# Altium PCB cam_cross_link.PcbDoc (part 1 of 4) (continued)
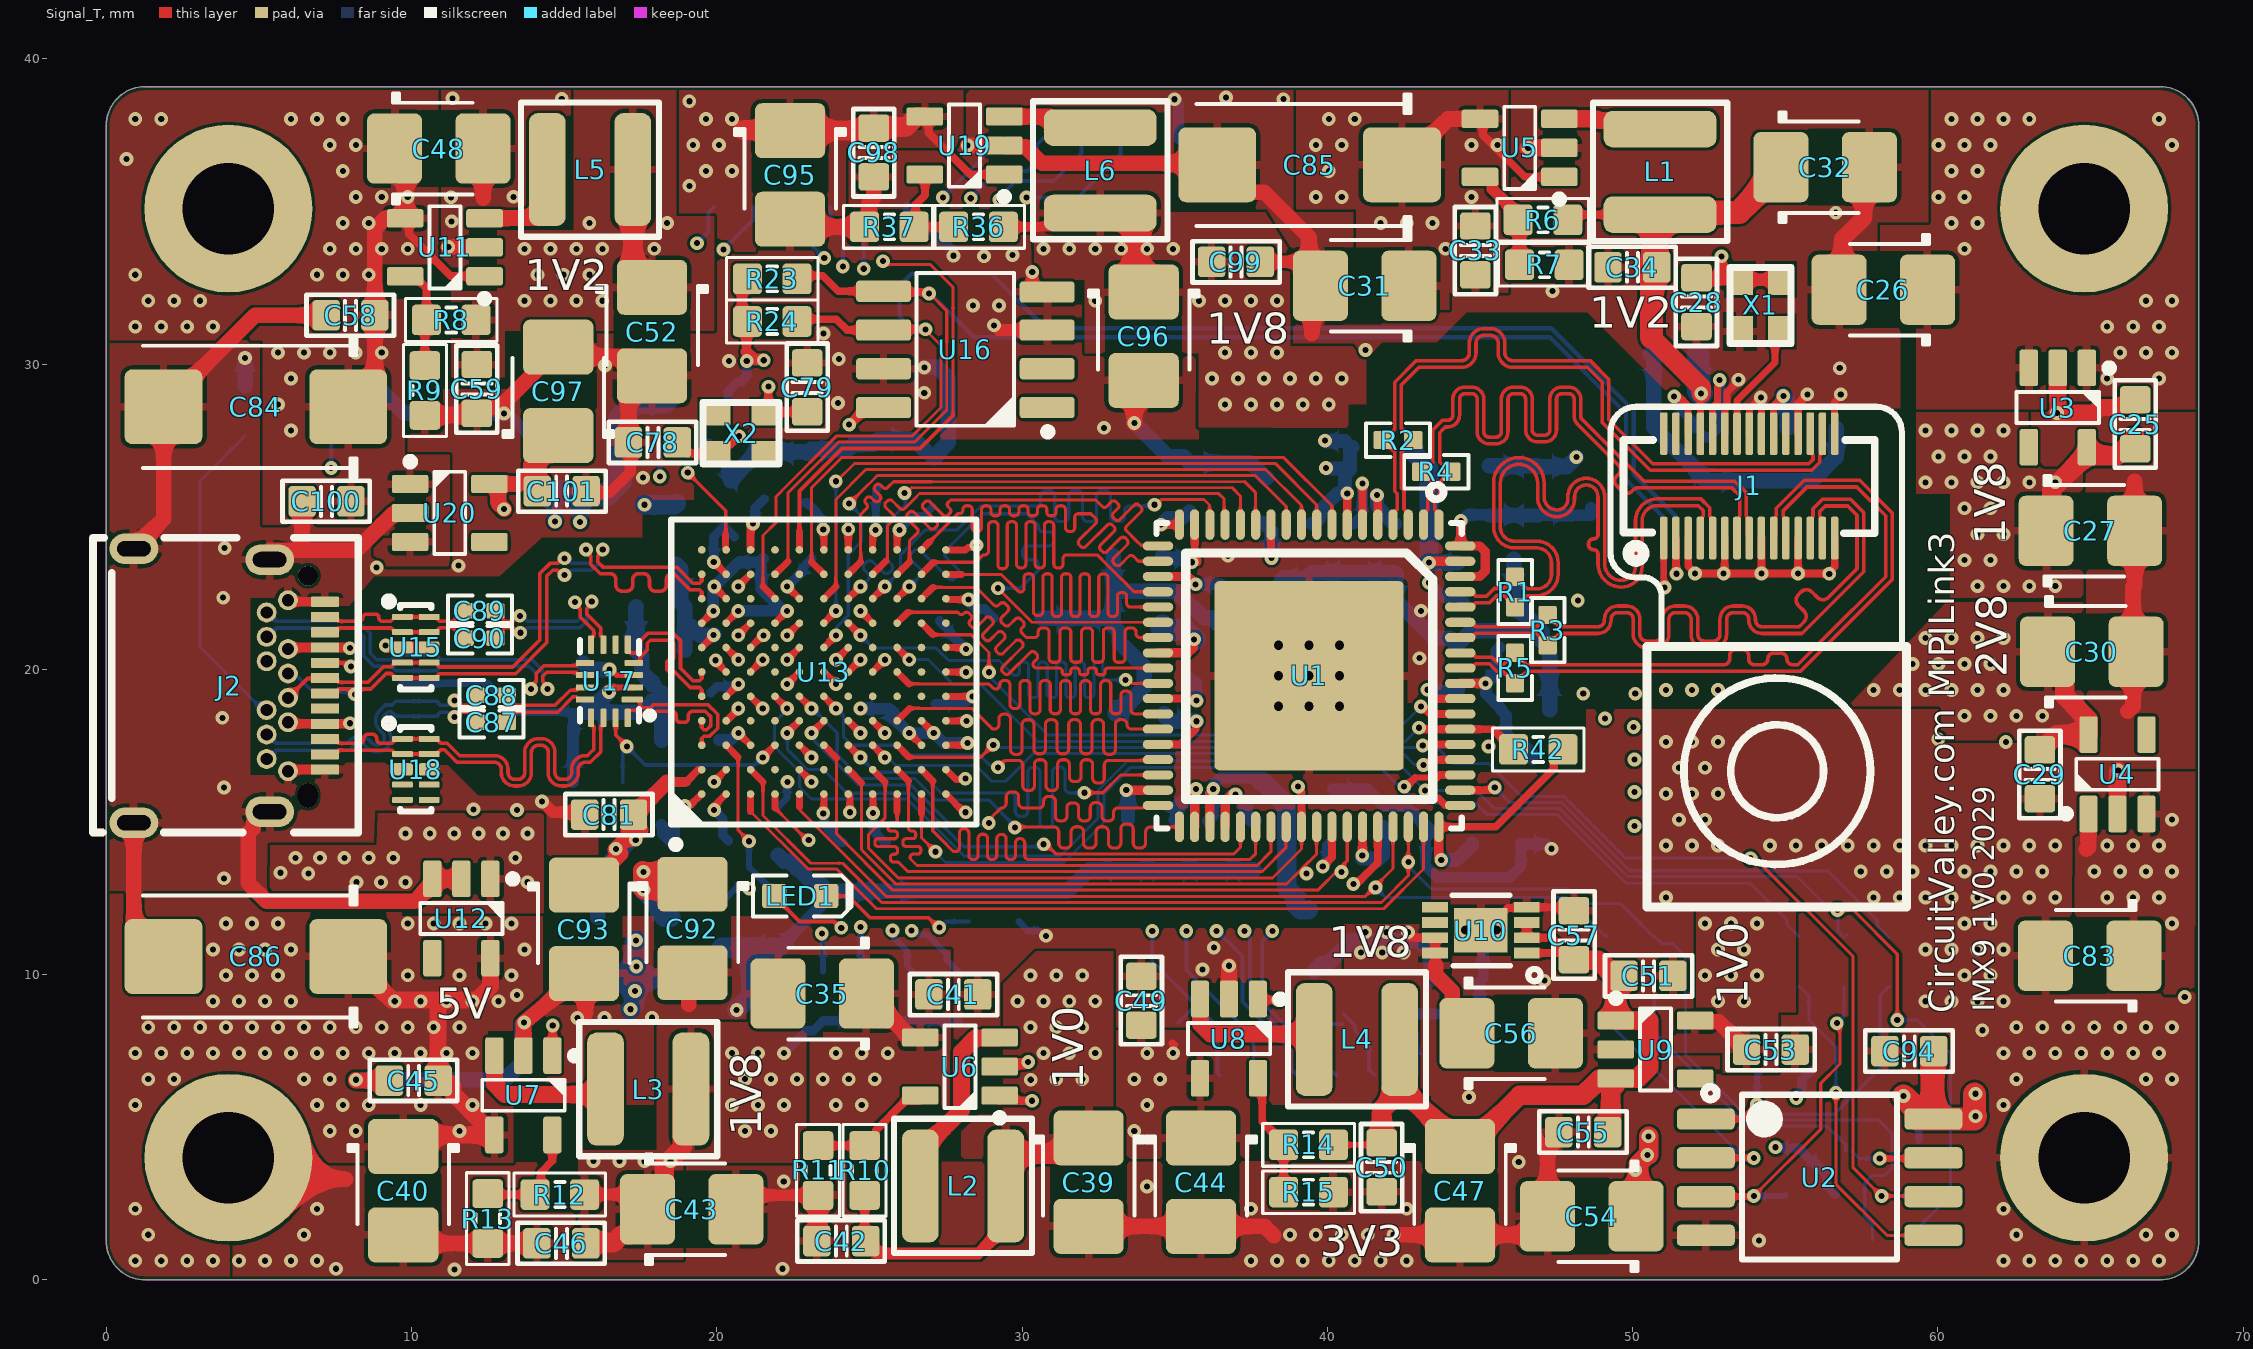
[diagram p0: Signal_T view]
## Components (designator, comment, footprint, x,y, rotation, side; value= is the part's Value field where it differs from the comment) (continued)
C82 "100n" CAPC1608N 44.31,9.881 r180 bottom
C83 "10µ" CAPMP3528X210N 64.973,10.617 r180 top
C84 "33uf 20V D" CAPMP7343X310N 4.902,28.6 r180 top value="33uf 25V"
C85 "33uf 20V D" CAPMP7343X310N 39.421,36.525 r180 top value="33uf 25V"
C86 "33uf 20V D" CAPMP7343X310N 4.902,10.592 r180 top value="33uf 25V"
C87 "100n" CAPC1005N 12.624,18.263 r0 top
C88 "100n" CAPC1005N 12.624,19.152 r0 top
C89 "100n" CAPC1005N 12.243,21.915 r0 top
C90 "100n" CAPC1005N 12.243,21.02 r0 top
C91 "100n" CAPC1608N 15.646,19.317 r90 bottom
C92 "22uf" CAPMP3528X210N 19.202,11.508 r270 top
C93 "22uf" CAPMP3528X210N 15.646,11.481 r270 top
C94 "100n" CAPC1608N 59.068,7.493 r0 top
C95 "10µ" CAPMP3528X210N 22.403,36.195 r270 top
C96 "10µ" CAPMP3528X210N 33.985,30.912 r270 top
C97 "10µ" CAPMP3528X210N 14.808,29.106 r90 top
C98 "100n" CAPC1608N 25.146,36.932 r90 top
C99 "100n" CAPC1608N 37.008,33.35 r180 top
C100 "100n" CAPC1608N 7.214,25.502 r0 top
C101 "100n" CAPC1608N 14.92,25.838 r180 top
FB1 "" FBC2012N 39.318,11.131 r90 bottom
FB2 "" FBC2012N 47.727,17.043 r180 bottom
FB3 "" FBC2012N 48.641,24.292 r90 bottom
FB4 "" FBC2012N 19.38,28.905 r180 bottom
FB5 "" FBC2012N 18.669,24.444 r270 bottom
FB6 "" FBC2012N 18.491,10.871 r90 bottom
FB7 "" FBC2012N 16.104,10.871 r90 bottom
FB8 "" FBC2012N 41.834,27.28 r0 bottom
J1 "DF37NC-30DS-0.4V" DF37NC-30DS-0.4V 53.823,26.01 r0 top
J2 "USB C Connector" 10137062-00021LF 3.277,19.507 r270 top locked
L1 "2u2" TAIYO_NRS4018T2R2MDGJ 50.902,36.297 r270 top
L2 "2u2" TAIYO_NRS4018T2R2MDGJ 28.067,3.073 r0 top
L3 "2u2" TAIYO_NRS4018T2R2MDGJ 17.755,6.248 r0 top
L4 "2u2" TAIYO_NRS4018T2R2MDGJ 40.97,7.874 r0 top
L5 "2u2" TAIYO_NRS4018T2R2MDGJ 15.85,36.373 r0 top
L6 "2u2" TAIYO_NRS4018T2R2MDGJ 32.563,36.347 r270 top
LED1 "Red" LED-0603-RED 22.733,12.573 r0 top
P1 "Header 6" SMD_Solder_points_1.27 39.649,6.731 r180 bottom
P2 "Header 6" SMD_Solder_points_1.27 23.089,35.179 r180 bottom
P3 "Header 6" SMD_Solder_points_1.27 32.588,37.363 r0 bottom
P4 "Header 3" SMD_3Solder_points_1.27 59.103,1.304 r0 bottom
R1 "Thick Film" RESC1005N 46.152,22.53 r270 top value=100R
R2 "Thick Film" RESC1005N 42.32,27.51 r180 top value=100R
R3 "Thick Film" RESC1005N 47.218,21.281 r270 top value=100R
R4 "Thick Film" RESC1005N 43.571,26.473 r0 top value=100R
R5 "Thick Film" RESC1005N 46.152,20.041 r270 top value=100R
R6 "Thick Film" RESC1608N_ZERO 47.065,34.723 r180 top value=300K
R7 "Thick Film" RESC1608N_ZERO 47.113,33.25 r0 top value=73K2
R8 "Thick Film" RESC1608N_ZERO 11.303,31.445 r180 top value=0R
R9 "Thick Film" RESC1608N_ZERO 10.439,29.134 r270 top value=0R
R10 "Thick Film" RESC1608N_ZERO 24.841,3.581 r90 top value=0R
R11 "Thick Film" RESC1608N_ZERO 23.317,3.581 r270 top value=0R
R12 "Thick Film" RESC1608N_ZERO 14.859,2.794 r180 top value=0R
R13 "Thick Film" RESC1608N_ZERO 12.497,2.007 r270 top value=0R
R14 "Thick Film" RESC1608N_ZERO 39.386,4.42 r180 top value=0R
R15 "Thick Film" RESC1608N_ZERO 39.386,2.871 r0 top value=0R
R16 "Thick Film" RESC1608N_ZERO 4.551,28.473 r90 bottom value=5.1K
R17 "Thick Film" RESC1608N_ZERO 7.544,28.473 r90 bottom value=5.1K
R19 "Thick Film" RESC1608N_ZERO 18.923,27.381 r0 bottom value="6.04K 1%"
R20 "Thick Film" RESC1608N_ZERO 22.047,11.709 r270 bottom value="200R 1%"
R21 "Thick Film" RESC1608N_ZERO 20.168,11.709 r270 bottom value=10K
R22 "Thick Film" RESC1608N_ZERO 23.485,9.296 r270 bottom value=0R
R23 "Thick Film" RESC1608N_ZERO 21.819,32.791 r180 top value=5.1K
R24 "Thick Film" RESC1608N_ZERO 21.819,31.394 r0 top value=5.1K
R25 "Thick Film" RESC1608N_ZERO 24.913,9.296 r270 bottom value=5.1K
R26 "Thick Film" RESC1608N_ZERO 26.408,9.296 r270 bottom value=5.1K
R27 "Thick Film" RESC1608N_ZERO 27.903,9.296 r270 bottom value=5.1K
R28 "Thick Film" RESC1608N_ZERO 16.104,16.307 r180 bottom value=5.1K
R29 "Thick Film" RESC1608N_ZERO 55.448,10.439 r90 bottom value=0R
R30 "Thick Film" RESC1608N_ZERO 49.171,10.451 r90 bottom value=0R
R31 "Thick Film" RESC1608N_ZERO 56.921,10.414 r90 bottom value=0R
R32 "Thick Film" RESC1608N_ZERO 50.715,10.451 r90 bottom value=0R
R33 "Thick Film" RESC1608N_ZERO 58.395,10.414 r90 bottom value=0R
R34 "Thick Film" RESC1608N_ZERO 55.042,6.858 r180 bottom value=4.7K
R35 "Thick Film" RESC1608N_ZERO 41.351,8.712 r180 bottom value=4.7K
R36 "Thick Film" RESC1608N_ZERO 28.575,34.493 r180 top value=0R
R37 "Thick Film" RESC1608N_ZERO 25.654,34.493 r180 top value=0R
R38 "Thick Film" RESC1608N_ZERO 56.379,4.215 r0 bottom value=4.7K
R39 "Thick Film" RESC1608N_ZERO 55.651,2.896 r180 bottom value=4.7K
R40 "Thick Film" RESC1608N_ZERO 59.379,3.759 r270 bottom value=1K
R41 "Thick Film" RESC1608N_ZERO 29.083,11.735 r0 bottom value=100R
R42 "Thick Film" RESC1608N_ZERO 46.914,17.374 r180 top value=10K
R43 "Thick Film" RESC1608N_ZERO 34.315,8.687 r0 bottom value=4.7K
U1 "LIFCL-40-xSG72" QFN72_NX 39.405,19.79 r180 top locked
U2 "SST26WF064C / MX25U12832F" SOP8 56.127,3.361 r0 top
U3 "MIC550x" SOT23-5 63.932,28.575 r270 top
U4 "MIC550x" SOT23-5 65.888,16.561 r90 top
U5 "AP3417C" SOT23-5 46.304,37.084 r180 top
U6 "AP3417C" SOT23-5 27.965,6.985 r180 top
U7 "AP3417C" SOT23-5 13.665,6.045 r270 top
U8 "AP3417C" SOT23-5 36.779,7.899 r270 top
U9 "MIC550x" SOT23-5 50.749,7.544 r0 top
U10 "MCP1725-1802E/MC" DFN8_3x2 45.034,11.455 r180 top
U11 "AP3417C" SOT23-5 11.092,33.824 r180 top
U12 "NCP360SNT1G" SOT23-5 11.633,11.836 r270 top
U13 "CYUSB3014-BZXC" CYP-BZX121 23.507,19.913 r90 top locked
U14 "SP3010-04UTG" uDFN-10 10.16,19.456 r270 bottom
U15 "SP3010-04UTG" uDFN-10 10.14,20.717 r90 top
U16 "AT24CM02" SOIC8 28.143,30.48 r180 top
U17 "HD3SS3202" UQFN-16 16.485,19.609 r180 top
U18 "SP3010-04UTG" uDFN-10 10.14,16.723 r90 top
U19 "AP3417C" SOT23-5 28.118,37.16 r180 top
U20 "MIC550x" SOT23-5 11.252,25.121 r0 top
X1 "DSO221SR" "Active Oscillator 2520" 54.192,31.918 r270 top
X2 "ECS-192-7-36B-CKY-TR" "Active Oscillator 2520" 20.795,27.733 r0 top

## Footprints (in the part's own frame and the unit in brackets; to place one, negate y for a bottom-side part, rotate by r counter-clockwise, add the part's x,y. Pads: shape width x height; smd on the part's side, far side on the other; paste and mask are expansions set on the pad)
10137062-00021LF [mm] "USB 3.1 USB C"
  oval 1x1.6 hole 0.5 slot 1.1 at 90 deg: 0(-4.446,-2.373) 0(-4.086,2.077) 0(4.174,2.077) 0(4.534,-2.373)
  round 0.65 hole 0.65 unplated: 1(-3.556,3.327)
  oval 0.8x0.65 hole 0.65 slot 0.8 at 0 deg unplated: 1(3.644,3.327)
  rrect20% 0.33x0.93 smd: A1(-2.706,3.887) A2(-2.206,3.887) A3(-1.706,3.887) A4(-1.206,3.887) A5(-0.706,3.887) A6(-0.206,3.887) A7(0.294,3.887) A8(0.794,3.887) A9(1.294,3.887) A10(1.794,3.887) A11(2.294,3.887) A12(2.794,3.887)
  round 0.65 hole 0.4: B1(2.844,2.677) B2(2.444,1.977) B3(1.644,1.977) B4(1.244,2.677) B5(0.844,1.977) B6(0.444,2.677) B7(-0.356,2.677) B8(-0.756,1.977) B9(-1.156,2.677) B10(-1.556,1.977) B11(-2.356,1.977) B12(-2.756,2.677)
  silkscreen extent -4.8,-3.71 4.85,4.98, body extent -4.8,-3.71 4.85,4.99, height 3.19
"Active Oscillator 2520" [mm]
  rect 1x0.85 smd: 1(-0.85,-0.675) 2(0.85,-0.675) 3(0.85,0.675) 4(-0.85,0.675)
  silkscreen extent -1.25,-1 1.25,1, body extent -1.25,-1 1.25,1, height 0.56
CAPC1005N [mm] "Chip Capacitor, Body 1.0x0.5mm, 0402, IPC Medium Density"
  round 0.2 on Mech14: 0(0,0)
  rrect20% 0.6x0.5 smd: 1(-0.5,0) 2(0.5,0)
  Signal_T pour cut-out: -0.2,0.35 0.2,0.35 0.2,-0.35 -0.2,-0.35
  silkscreen extent -1.05,-0.5 1.05,0.5, body extent -0.52,-0.27 0.53,0.28, height 0.55
CAPC1608N [mm] "Chip Capacitor, Body 1.6x0.8mm, 0603, IPC Medium Density"
  round 0.254 on Mech14: 0(0,0)
  rrect25% 0.9x1 smd: 1(-0.8,0) 2(0.8,0)
  silkscreen extent -1.44,-0.67 1.42,0.68, body extent -0.85,-0.45 0.85,0.45, height 0.89
CAPMP3528X210N [mm] "Molded body capacitor, Body 3.5x2.8mm, 1210, IPC Nominal settings"
  round 0.254 on Mech14: 0(0,0)
  rrect25% 1.8x2.3 smd: 1(-1.45,0) 2(1.45,0)
  Signal_T pour cut-out: -0.508,1.27 0.508,1.27 0.508,-1.27 -0.508,-1.27
  silkscreen extent -1.5,-1.8 1.1,1.8, body extent -1.75,-1.4 1.75,1.4, height 2.1
CAPMP7343X310N [mm] "Molded body capacitor, Body 7.3x4.3mm, 2917, IPC Nominal settings"
  round 1 on Mech14: 0(0,0)
  rrect20% 2.55x2.45 smd: 1(-3.025,0) 2(3.025,0)
  silkscreen extent -3.3,-2.3 3.7,2.3, body extent -3.8,-1.97 3.8,1.98, height 3.1
CYP-BZX121 [mm] "BGA, 121-Balls, Body 10x10mm, Pitch 0.8mm"
  round 0.25 smd: A1(-4,4) A2(-3.2,4) A3(-2.4,4) A4(-1.6,4) A5(-0.8,4) A6(0,4) A7(0.8,4) A8(1.6,4) A9(2.4,4) A10(3.2,4) A11(4,4) B1(-4,3.2) B2(-3.2,3.2) B3(-2.4,3.2) B4(-1.6,3.2) B5(-0.8,3.2) B6(0,3.2) B7(0.8,3.2) B8(1.6,3.2) B9(2.4,3.2) B10(3.2,3.2) B11(4,3.2) C1(-4,2.4) C2(-3.2,2.4) C3(-2.4,2.4) C4(-1.6,2.4) C5(-0.8,2.4) C6(0,2.4) C7(0.8,2.4) C8(1.6,2.4) C9(2.4,2.4) C10(3.2,2.4) C11(4,2.4) D1(-4,1.6) D2(-3.2,1.6) D3(-2.4,1.6) D4(-1.6,1.6) D5(-0.8,1.6) D6(0,1.6) D7(0.8,1.6) D8(1.6,1.6) D9(2.4,1.6) D10(3.2,1.6) D11(4,1.6) E1(-4,0.8) E2(-3.2,0.8) E3(-2.4,0.8) E4(-1.6,0.8) E5(-0.8,0.8) E6(0,0.8) E7(0.8,0.8) E8(1.6,0.8) E9(2.4,0.8) E10(3.2,0.8) E11(4,0.8) F1(-4,0) F2(-3.2,0) F3(-2.4,0) F4(-1.6,0) F5(-0.8,0) F6(0,0) F7(0.8,0) F8(1.6,0) F9(2.4,0) F10(3.2,0) F11(4,0) G1(-4,-0.8) G2(-3.2,-0.8) G3(-2.4,-0.8) G4(-1.6,-0.8) G5(-0.8,-0.8) G6(0,-0.8) G7(0.8,-0.8) G8(1.6,-0.8) G9(2.4,-0.8) G10(3.2,-0.8) G11(4,-0.8) H1(-4,-1.6) H2(-3.2,-1.6) H3(-2.4,-1.6) H4(-1.6,-1.6) H5(-0.8,-1.6) H6(0,-1.6) H7(0.8,-1.6) H8(1.6,-1.6) H9(2.4,-1.6) H10(3.2,-1.6) H11(4,-1.6) J1(-4,-2.4) J2(-3.2,-2.4) J3(-2.4,-2.4) J4(-1.6,-2.4) J5(-0.8,-2.4) J6(0,-2.4) J7(0.8,-2.4) J8(1.6,-2.4) J9(2.4,-2.4) J10(3.2,-2.4) J11(4,-2.4) K1(-4,-3.2) K2(-3.2,-3.2) K3(-2.4,-3.2) K4(-1.6,-3.2) K5(-0.8,-3.2) K6(0,-3.2) K7(0.8,-3.2) K8(1.6,-3.2) K9(2.4,-3.2) K10(3.2,-3.2) K11(4,-3.2) L1(-4,-4) L2(-3.2,-4) L3(-2.4,-4) L4(-1.6,-4) L5(-0.8,-4) L6(0,-4) L7(0.8,-4) L8(1.6,-4) L9(2.4,-4) L10(3.2,-4) L11(4,-4)
  silkscreen extent -5.77,-5 5,5, body extent -5,-5 5,5, height 1.2
DF37NC-30DS-0.4V [mm] "IMX219 Camera connector"
  rrect50% 0.247x1.4 smd: 1(-2.8,-1.71) 2(-2.4,-1.71) 3(-2,-1.71) 4(-1.6,-1.71) 5(-1.2,-1.71) 6(-0.8,-1.71) 7(-0.4,-1.71) 8(0,-1.71) 9(0.4,-1.71) 10(0.8,-1.71) 11(1.2,-1.71) 12(1.6,-1.71) 13(2,-1.71) 14(2.4,-1.71) 15(2.8,-1.71) 16(2.8,1.71) 17(2.4,1.71) 18(2,1.71) 19(1.6,1.71) 20(1.2,1.71) 21(0.8,1.71) 22(0.4,1.71) 23(0,1.71) 24(-0.4,1.71) 25(-0.8,1.71) 26(-1.2,1.71) 27(-1.6,1.71) 28(-2,1.71) 29(-2.4,1.71) 30(-2.8,1.71)
  silkscreen extent -4.11,-2.46 4.11,1.5, body extent -4.11,-1.5 4.11,1.48, height 0.99
DFN8_3x2 [mm] "MCP1725"
  rect 0.85x0.35 smd: 1(-1.5,0.75) 2(-1.5,0.25) 3(-1.5,-0.25) 4(-1.5,-0.75) 5(1.5,-0.75) 6(1.5,-0.25) 7(1.5,0.25) 8(1.5,0.75)
  rect 1.75x1.45 smd: 9(0,0)
  silkscreen extent -1.95,-1.14 0.94,1.67, body extent -1.53,-1 1.51,1, height 0.91
FBC2012N [mm] "Ferrite Bead Chip, Body 2.0x1.2mm, 0805, IPC Medium Density"
  round 0.508 on Mech14: 0(0,0)
  rrect25% 0.95x1.35 smd: 1(-1,0) 2(1,0)
  silkscreen extent -0.43,-0.64 0.46,0.64, body extent -1,-0.62 1,0.63, height 0.9
LED-0603-RED [mm]
  round 0.254 on Mech14: 0(0,0)
  rrect25% 0.8x0.8 smd: A(-0.85,0) K(0.85,0)
  Signal_T pour cut-out: -0.5,0.5 0.5,0.5 0.5,-0.5 -0.5,-0.5
  silkscreen extent -1.55,-0.67 1.68,0.67, body extent -0.8,-0.4 0.8,0.4, height 0.75
QFN72_NX [mm] "QFN72 Package For CrossLink NX"
  oval 0.3x1 smd: 1(-4.25,-4.95) 2(-3.75,-4.95) 3(-3.25,-4.95) 4(-2.75,-4.95) 5(-2.25,-4.95) 6(-1.75,-4.95) 7(-1.25,-4.95) 8(-0.75,-4.95) 9(-0.25,-4.95) 10(0.25,-4.95) 11(0.75,-4.95) 12(1.25,-4.95) 13(1.75,-4.95) 14(2.25,-4.95) 15(2.75,-4.95) 16(3.25,-4.95) 17(3.75,-4.95) 18(4.25,-4.95) 37(4.25,4.95) 38(3.75,4.95) 39(3.25,4.95) 40(2.75,4.95) 41(2.25,4.95) 42(1.75,4.95) 43(1.25,4.95) 44(0.75,4.95) 45(0.25,4.95) 46(-0.25,4.95) 47(-0.75,4.95) 48(-1.25,4.95) 49(-1.75,4.95) 50(-2.25,4.95) 51(-2.75,4.95) 52(-3.25,4.95) 53(-3.75,4.95) 54(-4.25,4.95)
  oval 1x0.3 smd: 19(4.95,-4.25) 20(4.95,-3.75) 21(4.95,-3.25) 22(4.95,-2.75) 23(4.95,-2.25) 24(4.95,-1.75) 25(4.95,-1.25) 26(4.95,-0.75) 27(4.95,-0.25) 28(4.95,0.25) 29(4.95,0.75) 30(4.95,1.25) 31(4.95,1.75) 32(4.95,2.25) 33(4.95,2.75) 34(4.95,3.25) 35(4.95,3.75) 36(4.95,4.25) 55(-4.95,4.25) 56(-4.95,3.75) 57(-4.95,3.25) 58(-4.95,2.75) 59(-4.95,2.25) 60(-4.95,1.75) 61(-4.95,1.25) 62(-4.95,0.75) 63(-4.95,0.25) 64(-4.95,-0.25) 65(-4.95,-0.75) 66(-4.95,-1.25) 67(-4.95,-1.75) 68(-4.95,-2.25) 69(-4.95,-2.75) 70(-4.95,-3.25) 71(-4.95,-3.75) 72(-4.95,-4.25)
  rrect5% 6.2x6.2 smd: 73(0,0)
  silkscreen extent -5,-6.26 5,5, body extent -5,-5 5,5, height 0.85
RESC1005N [mm] "Chip Resistor, Body 1.0x0.5mm, EIA 0402, IPC Medium Density"
  round 0.2 on Mech14: 0(0,0)
  rrect20% 0.6x0.6 smd: 1(-0.5,0) 2(0.5,0)
  Signal_T pour cut-out: -0.2,0.35 0.2,0.35 0.2,-0.35 -0.2,-0.35
  silkscreen extent -1.05,-0.55 1.05,0.55, body extent -0.52,-0.27 0.53,0.28, height 0.4
RESC1608N_ZERO [mm] "Chip Resistor, Body 1.6x0.8mm, 0603, IPC Medium Density"
  round 0.254 on Mech14: 0(0,0)
  rrect25% 0.95x1 smd: 1(-0.813,0) 2(0.813,0)
  Signal_T pour cut-out: -0.4,0.6 0.4,0.6 0.4,-0.6 -0.4,-0.6
  silkscreen extent -1.5,-0.7 1.5,0.7, body extent -0.87,-0.47 0.88,0.48, height 0.54
SMD_3Solder_points_1.27 [mm]
  oval 1.1x1.6 smd: 1(-1.245,0) 2(0.025,0) 3(1.295,0)
  silkscreen extent -2.44,-0.18 -2.03,0.23
SMD_Solder_points_1.27 [mm]
  oval 1.1x1.6 smd: 1(-3.175,-0.025) 2(-1.905,-0.025) 3(-0.635,-0.025) 4(0.635,-0.025) 5(1.905,-0.025) 6(3.175,-0.025)
  silkscreen extent -4.37,-0.2 -3.96,0.2
SOIC8 [mm]
  rrect30% 1x1 on Mech14: 0(0,0)
  rrect30% 1.8x0.7 smd paste-2: 1(-2.68,1.905) 2(-2.68,0.635) 3(-2.68,-0.635) 4(-2.68,-1.88) 5(2.68,-1.905) 6(2.68,-0.635) 7(2.68,0.635) 8(2.68,1.905)
  silkscreen extent -2.83,-2.5 1.6,2.82, body extent -3,-2.45 3,2.45, height 1.75
SOP8 [mm] "MX25L12833F"
  rrect40% 1.9x0.7 smd: 1(-3.727,1.905) 2(-3.727,0.635) 3(-3.727,-0.635) 4(-3.727,-1.905) 5(3.727,-1.905) 6(3.727,-0.635) 7(3.727,0.635) 8(3.727,1.905)
  silkscreen extent -3.78,-2.7 2.54,2.96, body extent -4.07,-2.75 4.07,2.74, height 1.9
SOT23-5 [mm]
  round 0.5 on Mech14: 0(0,0)
  rrect25% 1.2x0.6 smd: 1(-1.3,0.95) 2(-1.3,0) 3(-1.3,-0.95) 4(1.3,-0.95) 5(1.3,0.95)
  silkscreen extent -1.42,-1.35 0.51,1.81, body extent -1.4,-1.45 1.4,1.45, height 1.44
TAIYO_NRS4018T2R2MDGJ [mm] "TAIYO"
  rrect50% 1.2x3.7 smd: 1(-1.4,0) 2(1.4,0)
  silkscreen extent -2.26,-2.2 2.26,2.2, body extent -1.5,-1.5 1.5,1.5, height 1.35
uDFN-10 [mm] "SP3010-04UTG"
  rrect30% 0.2x0.675 smd: 1(1,0.437) 2(0.5,0.437) 4(-0.5,0.437) 5(-1,0.437) 6(-1,-0.437) 7(-0.5,-0.437) 9(0.5,-0.437) 10(1,-0.437)
  rrect30% 0.4x0.675 smd: 3(0,0.437) 8(0,-0.437)
  silkscreen extent -1.38,-0.51 1.64,1.02, body extent -1.24,-0.51 1.27,0.51, height 0.5
UQFN-16 [mm] "HD3SS3202"
  rrect30% 0.7x0.2 smd: 1(-0.75,0.6)
  rrect30% 0.6x0.2 smd: 2(-0.8,0.2) 3(-0.8,-0.2) 4(-0.8,-0.6) 9(0.8,-0.6) 10(0.8,-0.2) 11(0.8,0.2) 12(0.8,0.6)
  rrect30% 0.2x0.6 smd: 5(-0.6,-1.2) 6(-0.2,-1.2) 7(0.2,-1.2) 8(0.6,-1.2) 13(0.6,1.2) 14(0.2,1.2) 15(-0.2,1.2) 16(-0.6,1.2)
  silkscreen extent -1.43,-1.35 0.97,1.32, body extent -0.91,-1.31 0.91,1.31, height 0.57

## Part data
C1 C2 C3 C4 C5 C6 C7 C8 C9 C10 C11 C12 C13 C14 C15 C16 C17 C18 C19 C20 C21 C22 C23 C24 C25 C28 C29 C33 C34 C36 C37 C38 C41 C42 C45 C46 C49 C50 C51 C53 C55 C57 C58 C59 C60 C61 C62 C63 C64 C65 C66 C67 C68 C69 C70 C71 C72 C73 C74 C75 C76 C77 C78 C79 C80 C81 C82 C91 C94 C98 C99 C100 C101: library part CAPC_10p_0603_NP0_1%_50V, "Capacitor SMD Cer 10pF 5% 50V NP0 0603", Manufacturer 1="Murata Electronics North America", Manufacturer Part Number 1=GRM1885C1H100FA01J, Operating Temperature="-55°C ~ 125°C", Package / Case="0603 (1608 Metric)", Ratings="50V; NP0", Supplier Part Number 1=GRM1885C1H100FA01J-ND, Tolerance=±5%, Part=C0603X104K5RAC, Size / Dimension="0.063\" L x 0.032\" W (1.60mm x 0.81mm)", Supplier 1=Digi-Key, Thickness (Max)="0.035\" (0.90mm)"
C26 C27 C30 C31 C32 C35 C39 C40 C43 C44 C47 C48 C52 C54 C56 C83 C92 C93 C95 C96 C97: library part CAPT_47u_1210_6V3, "Capacitor SMD Tantalum 47uF 20% 6.3V 1210", ESR (Equivalent Series Resistance)="70.0 mOhm", Manufacturer 1="AVX Corporation", Manufacturer Part Number 1=TCJB476M006R0070, Manufacturer Size Code=B, Operating Temperature="-55°C ~ 125°C", Package / Case="1210 (3528 Metric)", Ratings=10V, Supplier Part Number 1=478-3139-1-ND, Tolerance=±20%, Voltage - Rated=6V3, ComponentLink1Description=http://www.avx.com/docs/Catalogs/tcj.pdf, ComponentLink1URL=http://www.avx.com/docs/Catalogs/tcj.pdf, Height - Seated (Max)="0.083\" (2.10mm)", Material=Tantalum, Size / Dimension="0.138\" L x 0.110\" W (3.50mm x 2.80mm)", Supplier 1=Digi-Key, Type=Molded
C84 C85 C86: library part CAPT_330u_2917_6V3, "Capacitor SMD Tant 330uF 20% 6V3 2917", ESR (Equivalent Series Resistance)="15 mOhm", Manufacturer Part Number=T520D337M006ATE015, Manufacturer Size Code=D, Operating Temperature="-55°C ~ 125°C", Package / Case="2917 (7343 Metric)", Ratings=6.3V, Supplier Part Number 1=399-4052-1-ND, Tolerance=±20%, ComponentLink1Description="T520D Datasheet", ComponentLink1URL=http://www.kemet.com/datasheets&T520D337M006ATE015, Height - Seated (Max)="0.122\" (3.10mm)", Material="Solid Tantalum", Part=TAJD336K020R, Size / Dimension="0.287\" L x 0.169\" W (7.30mm x 4.30mm)", Supplier 1=Digi-Key
C87 C88 C89 C90: library part CAPC_10n_0402_16V_10%, "Capacitor SMD Cer 10nF 10% 16V X7R 0402", Manufacturer 1="AVX Corporation", Manufacturer 2=Yageo, Manufacturer Part Number 1=0402YC103KAT2A, Manufacturer Part Number 2=CC0402KRX7R7BB103, Operating Temperature="-55°C ~ 125°C", Package / Case="0402 (1005 Metric)", Ratings="16V; X7R", Supplier Part Number 1=478-1114-1-ND, Tolerance=±10%, ComponentLink1Description=http://www.avx.com/docs/Catalogs/cx7r.pdf, ComponentLink1URL=http://www.avx.com/docs/Catalogs/cx7r.pdf, ComponentLink2Description=http://www.yageo.com/documents/recent/UPY-GPHC_X7R_6.3V-to-50V_8.pdf, ComponentLink2URL=http://www.yageo.com/documents/recent/UPY-GPHC_X7R_6.3V-to-50V_8.pdf, Size / Dimension="0.039\" L x 0.020\" W (1.00mm x 0.50mm)", Supplier 1=Digi-Key, Supplier 2=Digi-Key, Supplier Part Number 2=311-1042-1-ND
FB1 FB2 FB3 FB4 FB5 FB6 FB7 FB8: library part FERRITE_0805, "Ferrite bead 2.2K Ohm at 100 MHz 200mA 0805 SMD", Current Rating=200mA, DC Resistance (DCR)="800 mOhm Max", Impedance @ Frequency="600 Ohm @ 100MHz", Manufacturer 1="Laird-Signal Integrity Products", Manufacturer Part Number 1=HZ0805B222R-10, Package / Case="0805 (2012 Metric)", Ratings="200 mA; 800 mOhm DC", Supplier Part Number 1=240-2562-1-ND, ComponentLink1Description=http://www.lairdtech.com/WorkArea/linkit.aspx?LinkIdentifier=id&ItemID=4879, ComponentLink1URL=http://www.lairdtech.com/WorkArea/linkit.aspx?LinkIdentifier=id&ItemID=4879, Filter Type="Differential Mode - Single", Height (Max)="0.043\" (1.09mm)", Mounting Type="Surface Mount", Size / Dimension="0.063\" L x 0.031\" W (1.60mm x 0.80mm)", Supplier 1=Digi-Key
J1: library part 30_Pin_Dual
J2: library part USB_C, "USB C connector"
L1 L2 L3 L4 L5 L6: library part inductor_smd, PartNumber=NRS4018T2R2MDGJ
LED1: library part LED_SMD_Red_0603_220mcd, "LED 0603 SMD Hyper Red 630nm 220mcd 20mA", Manufacturer 1="Kingbright Corp", Manufacturer Part Number 1=APT1608SURCK, Package / Case="0603 (1608 metric)", Ratings="220 mcd; 630 nm", Supplier Part Number 1=754-1123-1-ND, Voltage - Forward (Vf) @ 10mA=1.9V, Voltage - Forward (Vf) Typ=1.95V, Material="AlGaInP on GaAs", Supplier 1=Digi-Key
P1 P2 P3: "Header, 6-Pin", LatestRevisionDate=17-Jul-2002, LatestRevisionNote="Re-released for DXP Platform.", Publisher="Altium Limited"
P4: "Header, 3-Pin", LatestRevisionDate=17-Jul-2002, LatestRevisionNote="Re-released for DXP Platform.", Publisher="Altium Limited"
R1 R2 R3 R4 R5: library part RES_1M_0402_5%, "Resistor SMD chip 1M Ohm 0.063W 5% 0402", Manufacturer 1="Vishay Dale", Manufacturer 2=Yageo, Manufacturer Part Number 1=CRCW04021M00JNED, Manufacturer Part Number 2=RC0402JR-071ML, Package / Case="0402 (1005 Metric)", Power Rating="0.063W, 1/16W", Ratings="1/16 W", Supplier Part Number 1=541-1.0MJCT-ND, Tolerance=±5%, ComponentLink1Description=http://www.vishay.com/doc?20035, ComponentLink1URL=http://www.vishay.com/doc?20035, ComponentLink2Description=http://www.yageo.com/documents/recent/PYu-RC0402_51_RoHS_L_6.pdf, ComponentLink2URL=http://www.yageo.com/documents/recent/PYu-RC0402_51_RoHS_L_6.pdf, Material="Thick Film", Supplier 1=Digi-Key, Supplier 2=Digi-Key, Supplier Part Number 2=311-1.0MJRCT-ND
R6 R7 R8 R9 R10 R11 R12 R13 R14 R15 R16 R17 R19 R20 R21 R22 R23 R24 R25 R26 R27 R28 R29 R30 R31 R32 R33 R34 R35 R36 R37 R38 R39 R40 R41 R42 R43: library part RES_0R_0603, "Resistor SMD chip 0.0 Ohm 0.1W 0603", Manufacturer 1=Vishay/Dale, Manufacturer Part Number 1=CRCW06030000Z0EA, Package / Case="0603 (1608metric)", Ratings=1/10W, Supplier Part Number 1=541-0.0GCT-ND, Tolerance=±5%, Supplier 1=Digi-Key
U1: "QFN 72 LIFCL"
U2: library part MX25L12833F, "Flash 128Mbit for Lattice FPGA"
U10: library part MCP1725, "LDO"
U12: "USB Overvoltage Protection"
U13: "EZ-USB(R) FX3: SuperSpeed USB Controller, 512 KB, 60 I/Os, 0 to 70 degC, 121-Pin FBGA (BZX121)", Manufacturer=Cypress, Max. Operating Temp. (degreesC)=70, Max. Operating Voltage (V)=1.25, Min. Operating Temp. (degreesC)=0, Min. Operating Voltage (V)=1.15, Supplier Part Number 1=428-3182-ND, Code_JEDEC="PUB 95", ComponentLink1Description="Manufacturer URL", ComponentLink1URL=http://www.cypress.com/, ComponentLink2Description=Datasheet, ComponentLink2URL=http://www.cypress.com/?docID=49087, ComponentLink3Description="Package Specification", ComponentLink3URL=http://www.cypress.com/?docID=45795, CPU Core="ARM926 EJ-S", DatasheetVersion="Rev. *O", Memory Architecture=SRAM, Memory Size (KB)=512, Mounting Technology="Surface Mount", No. of I/Os=60, PackageDescription="121-Ball FBGA, Body 10 x 10 mm, Pitch 0.8 mm", PackageReference=BZX121, PackageVersion="Rev. *D", PartNumber=CYUSB3014-BZXC, RoHS=Pb-Free, Supplier 1=Digi-Key, Supplier 2=Farnell, Supplier 3=Newark, Supplier 4=Mouser, Supplier Part Number 2=2355789, Supplier Part Number 3=54W7901, Supplier Part Number 4=727-CYUSB3014-BZXC
U14 U15 U18: "ESD Protection"
U16: "2Mbit I2C EEPROM"
U17: "USB 3.0 Mux"
X1: library part Oscillator_2520, "Active Oscillator_2520"
X2: library part Crystal, "Crystal Oscillator"

## Free pads (board coordinates)
  round 5.5 hole 3: 0(4,4) 0(4,35.091) 0(64.795,4) 0(64.795,35.091)

## Via types
v1: diameter 0.45, hole 0.2, Signal_T to Signal_B, tented both sides, 740 vias
v2: diameter 0.5, hole 0.3, Signal_T to Signal_B, 9 vias
v3: diameter 0.45/0.45/0.45/0.45/0.45/0.45 (per signal layer), hole 0.2, Signal_T to Signal_B, tented both sides, 2 vias
v4: diameter 0.7, hole 0.3, Signal_T to Signal_B, 2 vias

## Nets (pads, with @x,y where several pads share a name; then routed paths per layer and width w, separated by ;. In a path a pad name is that pad's centre, name@x,y a point inside that pad or via, vN(x,y) a via of type N, cw(c..) or ccw(c..) an arc to the next point about the centre after c; other vN are vias at no path point)
1V0: C17.2 C18.2 C19.2 C20.2 C21.2 C22.2 C23.2 C24.2 C39.1 C42.2 L2.2 R10.1 U1.5 U1.6 U1.12 U1.21 U1.35 U1.38 U1.40 U1.62 | length 30.5
  Signal_T w0.254: R10.1@24.841,2.768 24.841,1.27 C42.2@24.879,1.27 24.879,1.247 25.262,0.864 C42.2@25.285,0.864 ; L2.2@29.467,1.762 L2.2@29.467,3.073 ; U1.12@38.155,24.74 38.155,23.669 v1(38.176,23.647) ; v1(41.148,26.086) 41.155,26.079 U1.6@41.155,24.74 ; v1(41.631,25.705) 41.655,25.681 U1.5@41.655,24.74
  Signal_T w0.279: v1(43.282,19.329) 43.571,19.04 U1.62@44.007,19.04
  Signal_T w0.305: v1(33.414,16.04) U1.35@34.455,16.04 ; U1.21@34.455,23.04 35.431,23.04 v1(35.687,22.784) ; U1.38@35.655,14.84 35.655,15.981 35.703,16.029 v1(35.703,16.077) ; U1.40@36.655,14.84 36.655,15.703 36.855,15.903 36.86,15.899 v1(36.996,15.899)
  Signal_T w0.381: C42.2@25.286,0.864 28.569,0.864 L2.2@29.467,1.762
  Signal_T w0.635: L2.2@29.467,3.073 29.467,3.84 29.749,4.122 31.831,4.122 C39.1@32.08,4.371
  Signal_B w0.305: C24.2@36.513,22.784 C24.2@36.64,22.657 ; v1(43.282,19.329) 44.336,19.329 C20.2@44.374,19.368 ; C20.2@44.152,19.146 C20.2@44.374,19.146
  Signal_B w0.356: C21.2@40.869,24.765 40.876,24.765 41.148,25.037 41.148,25.557 41.15,25.559 41.15,26.084 v1(41.148,26.086)
  Signal_B w0.381: v1(35.687,22.784) C24.2@36.513,22.784
  Signal_B w0.457: v1(33.414,16.04) 33.477,15.977 C17.2@33.477,15.075 ; C18.2@35.027,15.075 35.075,15.123 35.075,15.449 v1(35.703,16.077) ; v1(36.996,15.899) 37.325,15.57 37.325,15.521 37.336,15.509 37.336,15.253 37.54,15.049 C19.2@37.627,15.049 ; C23.2@37.884,24.816 C23.2@38.024,24.676 38.176,24.524 v1(38.176,23.647) ; v1(41.631,25.705) 41.631,25.349 41.943,25.036 41.943,24.986 42.165,24.765 C22.2@42.215,24.765
  other v1: 30.286,6.555 31.125,6.574 31.975,6.574 30.7,7.424 31.55,7.424 32.4,7.424 30.275,8.274 31.125,8.274 31.975,8.274 29.85,9.124 30.7,9.124 31.55,9.124 32.4,9.124 30.275,9.974 31.125,9.974 31.975,9.974
1V2: C52.1 C59.2 C68.2 C69.2 C70.2 C71.2 C72.2 C73.2 C74.2 C75.2 FB5.1 FB6.1 FB7.1 L5.2 R8.1 U13.B10 U13.C3 U13.E9 U13.F11 U13.H1 U13.J11 U13.L5 U13.L7 | length 25.3
  Signal_T w0.229: v1@19.899,23.499 19.922,23.499 U13.B10@20.307,23.113 ; v1@20.701,17.907 20.714,17.907 U13.C3@21.107,17.513 ; v1@22.301,22.708 22.313,22.708 U13.E9@22.707,22.313 ; U13.F11@23.507,23.913 v1@23.507,24.566 ; U13.H1@25.107,15.913 25.116,15.904 25.116,15.871 25.121,15.867 v1(25.121,15.291) ; U13.J11@25.907,23.913 25.907,24.418 25.984,24.495 v1(25.984,24.562) ; U13.L5@27.507,19.113 28.383,19.113 v1(28.387,19.109) ; U13.L7@27.507,20.713 28.048,20.713 28.102,20.659 v1(28.169,20.659)
  Signal_T w0.254: v1(23.488,24.585) v1@23.507,24.566
  Signal_T w0.635: L5.2@17.25,36.373 17.25,33.097 17.832,32.514 C52.1@17.882,32.514
  Signal_B w0.254: v1(25.984,24.562) 26.454,25.032 26.784,25.032 C68.2@27.076,25.324
  Signal_B w0.305: v1@19.899,23.499 19.899,24.338 20.197,24.636 C70.2@20.246,24.636 ; C70.2@20.223,24.636 20.273,24.636 C70.2@20.571,24.338 ; v1@22.301,22.709 22.816,23.224 22.816,23.324 C71.2@23.114,23.622 ; C69.2@22.908,25.459 22.958,25.459 23.256,25.161 23.256,25.111 23.449,24.918 23.449,24.663 23.461,24.652 23.461,24.596 v1@23.449,24.585 ; v1(25.121,15.291) 25.121,14.757 25.205,14.673 25.205,14.623 25.502,14.325 C75.2@25.552,14.325 ; C73.2@27.155,18.875 28.136,18.875 28.37,19.109 v1(28.387,19.109) ; C74.2@27.298,21.586 27.596,21.288 27.596,21.232 v1(28.169,20.659)
  Signal_B w0.381: C72.2@20.059,17.685 20.461,17.685 20.682,17.907 v1@20.701,17.907
  Signal_B w0.635: FB7.1@16.104,9.871 17.297,9.871 ; v1(17.17,8.865) 17.297,8.992 17.297,9.871 ; v1(17.35,11.12) 17.297,11.067 17.297,9.871 ; v1(17.631,25.39) 18.615,25.39 FB5.1@18.669,25.444 ; FB6.1@18.491,9.871 17.297,9.871
  other v1: 17.324,9.458 17.365,10.263 20.707,17.913 22.307,22.713 19.899,23.513 13.7,32.074 14.55,32.074 15.4,32.074 16.25,32.074 14.125,32.924 14.975,32.924 15.825,32.924 13.7,33.774 14.55,33.774 15.4,33.774 16.25,33.774 17.95,33.774 15.825,34.624 18.375,34.624
1V8: C43.1 C46.2 C62.2 C63.2 C64.2 C65.2 C66.2 C67.2 FB4.1 L3.2 R12.1 R22.2 R23.2 R24.1 R25.2 R26.2 R27.2 U13.B1 U13.C11 U13.E3 U13.F1 U13.H11 U13.L9 U16.8 | length 34.3
  Signal_T w0.229: v1(19.914,15.392) 19.961,15.44 19.961,15.567 U13.B1@20.307,15.913 ; U13.E3@22.707,17.513 23.101,17.12 v1@23.114,17.12 ; v1@23.507,15.36 U13.F1@23.507,15.913 ; U13.H11@25.107,23.913 25.107,24.397 25.205,24.495 v1(25.205,24.562) ; U13.L9@27.507,22.313 27.536,22.285 v1@28.169,22.285
  Signal_T w0.254: U13.C11@21.107,23.913 21.107,24.695 v1(21.184,24.772)
  Signal_T w0.305: R23.2@20.828,32.868 20.828,31.471 20.972,31.327 20.972,30.403 ; v1@21.511,30.152 v1(21.539,30.124) ; v1(24.337,28.015) 24.353,28.015 24.913,28.575 U16.8@25.463,28.575
  Signal_T w0.381: R12.1@15.71,2.756 R12.1@15.672,2.794 17.244,2.794 C43.1@17.727,2.311 ; 20.972,30.403 21.222,30.152 v1@21.511,30.152
  Signal_T w0.635: C46.2@15.71,1.194 15.741,1.225 16.64,1.225 16.895,1.479 17.145,1.479 17.727,2.061 C43.1@17.727,2.311 18.281,2.866 18.281,3.752 18.872,4.343 18.872,5.966 L3.2@19.155,6.248
  Signal_INT w0.203: v1@22.316,16.292 v1(22.316,16.313) v1@22.316,16.321
  Signal_INT w0.254: v1@22.316,16.321 v1@23.114,17.12
  Signal_B w0.229: C63.2@22.022,15.507 22.299,15.784 22.299,16.276 v1@22.316,16.292
  Signal_B w0.254: v1(25.205,24.562) 25.205,25.853 C62.2@25.273,25.921
  Signal_B w0.305: v1(19.914,15.392) 20.196,15.11 20.196,14.564 C67.2@20.383,14.376 ; FB4.1@20.38,28.905 20.38,29.105 20.703,29.428 20.802,29.428 20.98,29.606 v1(20.98,30.099) 21.514,30.099 v1(21.539,30.124) ; v1(21.184,24.772) 21.184,24.811 21.263,24.891 21.263,25.284 C65.2@21.559,25.58 ; v1(22.2,7.424) 22.936,8.161 23.162,8.161 R22.2@23.485,8.483 R27.2@27.903,8.483 ; v1@23.49,15.206 23.518,15.178 23.518,14.938 23.782,14.673 23.782,14.623 24.08,14.325 C66.2@24.13,14.325 ; v1@28.169,22.285 28.468,21.985 28.773,21.985 29.07,21.688 C64.2@29.07,21.666
  other v1: 15.965,3.886 16.815,3.886 17.634,3.884 18.484,3.884 20.925,4.874 21.775,4.874 20.5,5.724 21.35,5.724 22.2,5.724 20.925,6.574 21.775,6.574 22.625,6.574 20.5,7.424 21.35,7.424 23.49,15.282 23.107,17.113 28.245,22.285
2V8: C29.2 C30.1 C38.2 J1.21 U4.5 | length 7.6
  Signal_T w0.229: J1.21@54.623,27.72 54.623,28.638 v1(54.94,28.956)
  Signal_T w0.635: C29.2@63.348,17.361 63.398,17.361 63.898,17.861 U4.5@64.938,17.861 64.938,18.349 64.154,19.133 64.154,20.02 C30.1@63.599,20.574
  Signal_B w0.508: v1(54.94,28.956) 55.071,28.826 55.071,27.899 C38.2@55.08,27.889
  other v1: 60.875,18.474 61.725,18.474 62.575,18.474 63.425,18.474 57.9,19.324 58.75,19.324 59.6,19.324 60.45,19.324 61.3,19.324 62.15,19.324 59.175,20.174 60.025,20.174 60.875,20.174 61.725,20.174 59.6,21.024 60.45,21.024 61.3,21.024 62.15,21.024
3V3: C47.1 C50.2 C51.2 C55.2 C57.2 L4.2 R14.1 U9.1 U9.3 U10.1 U10.2 U10.3 | length 27.5
  Signal_T w0.178: R14.1@40.199,4.42 41.72,4.42 C50.2@41.783,4.483
  Signal_T w0.254: U10.1@46.534,10.705 47.557,10.705 47.652,10.705 47.557,10.801 47.557,11.016 47.367,11.205 U10.2@46.534,11.205 U10.3@46.534,11.705 ; C57.2@47.804,10.718 48.032,10.49 C57.2@48.082,10.49
  Signal_T w0.635: C50.2@41.783,4.483 41.783,5.581 42.37,6.168 42.37,6.624 42.37,7.591 L4.2@42.37,7.874 42.653,7.591 L4.2@42.653,6.624 ; L4.2@42.653,6.067 43.516,5.203 43.516,4.954 44.098,4.371 C47.1@44.348,4.371 44.931,4.954 45.213,4.954 46.304,6.045 48.387,6.045 48.936,6.594 U9.3@49.449,6.594 ; C57.2@47.93,10.478 47.934,10.473 48.887,10.473 49.449,9.911 U9.1@49.449,8.494 50.536,8.494 50.536,6.966 50.164,6.594 U9.3@49.449,6.594 ; C55.2@49.23,4.878 49.287,4.935 49.287,6.222 49.432,6.366 49.432,6.576 U9.3@49.449,6.594